# KiCad board Polished Amethyst.kicad_pcb (continued)
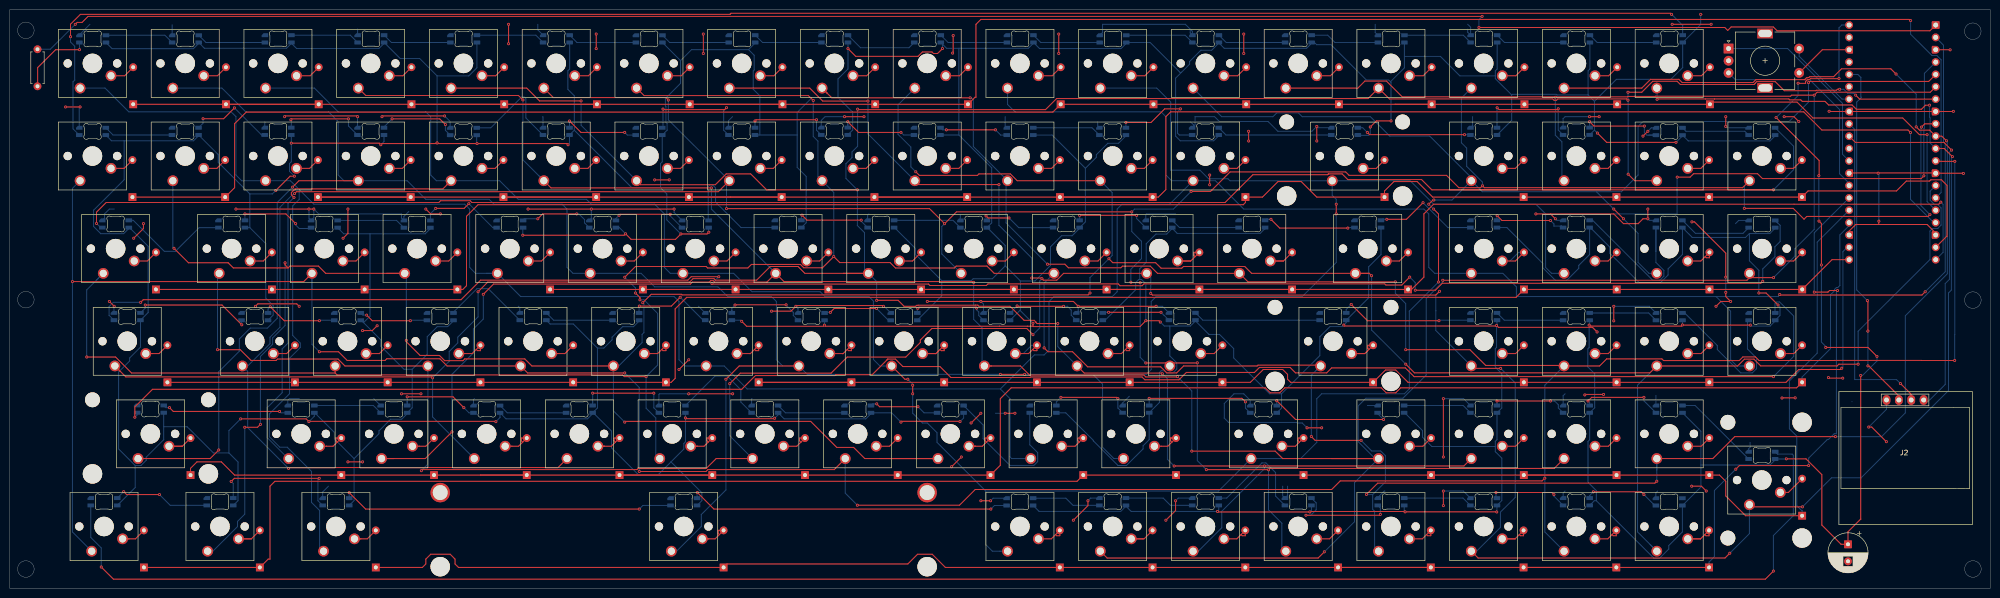
[diagram p0: board, top side]
## Routing (per net, layer and track width the routed paths; a pad name or vN(x,y) marks a point on that pad's centre or on a via; arc(x,y) is an arc through that point) (continued)
Row Two: length 18.1
  Top w0.2: v1(46.15,98.81) 43.93,96.58 v1(39.7,96.58)
  Bottom w0.2: v1(39.7,96.58) 39.7,95.65 LED20.2 ; LED21.3 51.72,93.24 v1(46.15,98.81)
Net-(D1-A): length 5.3
  Top w0.2: D1.2 23.61,105.42 SW1.2
Net-(D2-A): length 5.3
  Top w0.2: SW2.2 42.66,105.42 D2.2
Net-(D3-A): length 5.3
  Top w0.2: D3.2 61.71,105.42 SW3.2
Net-(D4-A): length 5.3
  Top w0.2: SW4.2 80.76,105.42 D4.2
Net-(D5-A): length 5.7
  Top w0.2: SW5.2 97,105.42 ; 97,105.42 97.43,105.42 ; 97,105.42 97.43,105.42 ; D5.2 99.81,105.42 97.43,105.42
Net-(D6-A): length 5.3
  Top w0.2: SW6.2 118.86,105.42 D6.2
Net-(D7-A): length 5.3
  Top w0.2: SW7.2 137.91,105.42 D7.2
Net-(D8-A): length 5.3
  Top w0.2: SW8.2 156.96,105.42 D8.2
Net-(D9-A): length 5.7
  Top w0.2: SW9.2 173.2,105.42 ; 173.2,105.42 173.63,105.42 ; 173.2,105.42 173.63,105.42 ; D9.2 176.01,105.42 173.63,105.42
Net-(D10-A): length 5.3
  Top w0.2: SW10.2 195.06,105.42 D10.2
Net-(D11-A): length 5.7
  Top w0.2: SW11.2 211.3,105.42 ; 211.3,105.42 211.73,105.42 ; 211.3,105.42 211.73,105.42 ; 211.73,105.42 214.11,105.42 D11.2
Net-(D12-A): length 5.3
  Top w0.2: D12.2 233.16,105.42 SW12.2
Net-(D13-A): length 5.7
  Top w0.2: SW13.2 249.4,105.42 ; 249.4,105.42 249.83,105.42 ; 249.4,105.42 249.83,105.42 ; 249.83,105.42 252.21,105.42 D13.2
Net-(D14-A): length 5.7
  Top w0.2: 268.88,105.42 271.26,105.42 D14.2 ; 268.88,105.42 SW14.2 268.88,105.42
Net-(D15-A): length 5.3
  Top w0.2: SW15.2 290.31,105.42 D15.2
Net-(D16-A): length 5.3
  Top w0.2: SW16.2 309.36,105.42 D16.2
Net-(D17-A): length 5.7
  Top w0.2: D17.2 328.41,105.42 326.03,105.42 ; SW17.2 326.03,105.42 ; 326.03,105.42 325.6,105.42
Net-(D18-A): length 5.3
  Top w0.2: D18.2 347.46,105.42 SW18.2
Net-(D19-A): length 5.1
  Top w0.2: D19.2 23.49,86.37 SW19.2
Net-(D20-A): length 5.1
  Top w0.2: D20.2 42.54,86.37 SW20.2
Net-(D21-A): length 5.1
  Top w0.2: D21.2 61.59,86.37 SW21.2
Net-(D22-A): length 5.5
  Top w0.2: 78.38,86.37 SW22.2 78.38,86.37 ; 78.38,86.37 80.64,86.37 D22.2
Net-(D23-A): length 5.1
  Top w0.2: D23.2 99.69,86.37 SW23.2
Net-(D24-A): length 5.1
  Top w0.2: D24.2 118.74,86.37 SW24.2
Net-(D25-A): length 5.5
  Top w0.2: 135.53,86.37 137.79,86.37 D25.2 ; 135.53,86.37 135.1,86.37 ; 135.53,86.37 135.1,86.37 ; SW25.2 135.1,86.37
Net-(D26-A): length 5.5
  Top w0.2: 154.58,86.37 SW26.2 156.84,86.37 D26.2
Net-(D27-A): length 5.1
  Top w0.2: D27.2 175.89,86.37 SW27.2
Net-(D28-A): length 5.1
  Top w0.2: SW28.2 194.94,86.37 D28.2
Net-(D29-A): length 5.1
  Top w0.2: D29.2 213.99,86.37 SW29.2
Net-(D30-A): length 5.1
  Top w0.2: D30.2 233.04,86.37 SW30.2
Net-(D31-A): length 5.5
  Top w0.2: SW31.2 249.4,86.37 ; 249.4,86.37 249.83,86.37 ; 249.4,86.37 249.83,86.37 ; 249.83,86.37 252.09,86.37 D31.2
Net-(D32-A): length 5.1
  Top w0.2: D32.2 280.65,86.36 SW32.2
Net-(D33-A): length 5.5
  Top w0.2: 306.98,86.37 309.24,86.37 D33.2 ; 306.98,86.37 SW33.2 306.98,86.37
Net-(D34-A): length 5.1
  Top w0.2: SW34.2 328.29,86.37 D34.2
Net-(D35-A): length 5.5
  Top w0.2: 345.08,86.37 SW35.2 345.08,86.37 ; 345.08,86.37 347.34,86.37 D35.2
Net-(D36-A): length 5.1
  Top w0.2: D36.2 366.39,86.37 SW36.2
Net-(D37-A): length 5.2
  Top w0.2: SW37.2 28.26,67.32 D37.2
Net-(D38-A): length 5.2
  Top w0.2: D38.2 52.07,67.32 SW38.2
Net-(D39-A): length 5.2
  Top w0.2: SW39.2 71.12,67.32 D39.2
Net-(D40-A): length 5.2
  Top w0.2: SW40.2 90.17,67.32 D40.2
Net-(D41-A): length 5.2
  Top w0.2: D41.2 109.22,67.32 SW41.2
Net-(D42-A): length 5.6
  Top w0.2: 126,67.32 SW42.2 126,67.32 ; 126,67.32 128.27,67.32 D42.2
Net-(D43-A): length 5.2
  Top w0.2: SW43.2 147.32,67.32 D43.2
Net-(D44-A): length 5.6
  Top w0.2: 164.1,67.32 SW44.2 164.1,67.32 ; 164.1,67.32 166.37,67.32 D44.2
Net-(D45-A): length 5.2
  Top w0.2: D45.2 185.42,67.32 SW45.2
Net-(D46-A): length 5.6
  Top w0.2: 202.2,67.32 SW46.2 202.2,67.32 ; 202.2,67.32 204.47,67.32 D46.2
Net-(D47-A): length 5.2
  Top w0.2: D47.2 223.52,67.32 SW47.2
Net-(D48-A): length 9.5
  Top w0.2: SW48.2 242.54,67.32 ; 242.54,67.32 242.57,67.32 243.46,68.2 ; 242.54,67.32 240.3,67.32 ; 243.46,68.2 243.24,68.42 243.24,69.09 D48.2 243.46,68.2
Net-(D49-A): length 7.9
  Top w0.2: 261.59,67.32 SW49.2 261.62,67.32 D49.2
Net-(D50-A): length 5.2
  Top w0.2: SW50.2 285.43,67.32 D50.2
Net-(D51-A): length 10.4
  Top w0.2: SW51.2 309.25,67.32 D51.2
  Bottom w0.2: SW51.2 308.14,67.32 309.92,69.09 D51.2
Net-(D52-A): length 5.6
  Top w0.2: 325.6,67.32 326.03,67.32 ; 325.6,67.32 326.03,67.32 ; 325.6,67.32 SW52.2 ; 326.03,67.32 328.3,67.32 D52.2
Net-(D53-A): length 7.9
  Top w0.2: 348.67,68.65 D53.2 ; 348.67,68.65 348.23,68.2 ; 348.67,68.65 D53.2 ; D53.2 349.12,67.99 348.45,67.99 348.23,68.2 ; 348.23,68.2 347.35,67.32 SW53.2
Net-(D54-A): length 5.2
  Top w0.2: D54.2 366.4,67.32 SW54.2
Net-(D55-A): length 6.5
  Top w0.2: 29.31,48.27 SW55.2 29.31,48.27 ; 29.31,48.27 30.67,48.27 D55.2
Net-(D56-A): length 6.5
  Top w0.2: D56.2 56.87,48.27 55.5,48.27 ; 55.5,48.27 SW56.2 55.5,48.27
Net-(D57-A): length 5.8
  Top w0.2: 74.42,48.27 75.92,48.27 D57.2 ; 74.42,48.27 73.8,48.27 ; 74.42,48.27 73.8,48.27 ; 73.8,48.27 SW57.2
Net-(D58-A): length 7.8
  Top w0.2: 95.82,49.12 94.97,48.27 93.47,48.27 ; 95.82,49.12 96.07,48.88 96.68,48.88 D58.2 95.82,49.12 ; 92.85,48.27 93.47,48.27 ; 92.85,48.27 SW58.2 ; 92.85,48.27 93.47,48.27
Net-(D59-A): length 5.8
  Top w0.2: 112.52,48.27 114.02,48.27 D59.2 ; 112.52,48.27 111.9,48.27 ; 112.52,48.27 111.9,48.27 ; 111.9,48.27 SW59.2
Net-(D60-A): length 7.9
  Top w0.2: 131.02,48.27 SW60.2 ; 131.02,48.27 131.7,48.27 ; 131.02,48.27 131.7,48.27 ; 133.92,49.12 134.17,48.88 134.78,48.88 D60.2 133.92,49.12 ; 133.92,49.12 133.07,48.27 131.7,48.27
Net-(D61-A): length 7.2
  Top w0.2: SW61.2 152.06,48.27 152.12,48.27 152.97,49.12 ; 152.97,49.12 153.22,48.88 153.83,48.88 D61.2 152.97,49.12
Net-(D62-A): length 7.2
  Top w0.2: 172.02,49.12 172.27,48.88 172.88,48.88 D62.2 172.02,49.12 ; 172.02,49.12 171.17,48.27 171.04,48.27 SW62.2
Net-(D63-A): length 9.5
  Top w0.2: SW63.2 190.22,48.27 ; 190.22,48.27 191.07,49.12 ; 190.22,48.27 187.91,48.27 ; 191.07,49.12 191.32,48.88 191.93,48.88 D63.2 191.07,49.12
Net-(D64-A): length 13
  Top w0.2: 210.12,49.12 D64.2 210.98,48.88 210.37,48.88 210.12,49.12 ; 210.12,49.12 209.27,48.27 207.77,48.27 ; 207.77,48.27 207.15,48.27 ; 207.77,48.27 207.15,48.27 ; 207.15,48.27 SW64.2
  Bottom w0.2: SW64.2 208.17,48.27 209.88,49.98 D64.2
Net-(D65-A): length 7.2
  Top w0.2: SW65.2 228.32,48.27 229.17,49.12 ; 229.17,49.12 229.42,48.88 230.03,48.88 D65.2 229.17,49.12
Net-(D66-A): length 5.2
  Top w0.2: SW66.2 245.87,48.27 245.87,48.27 247.37,48.27 D66.2
Net-(D67-A): length 8.5
  Top w0.2: 278.26,48.27 278.32,48.27 279.18,49.12 ; 278.26,48.27 276.93,48.27 ; 278.26,48.27 276.93,48.27 ; 276.93,48.27 SW67.2 ; 279.18,49.12 D67.2 278.93,49.98 278.93,49.37 279.18,49.12
Net-(D68-A): length 5.2
  Top w0.2: D68.2 309.28,48.27 SW68.2
Net-(D69-A): length 5.2
  Top w0.2: SW69.2 325.6,48.27 328.33,48.27 D69.2
Net-(D70-A): length 5.2
  Top w0.2: D70.2 347.38,48.27 SW70.2
Net-(D71-A): length 5.2
  Top w0.2: SW71.2 363.7,48.27 366.43,48.27 D71.2
Net-(D72-A): length 7.8
  Top w0.2: SW72.2 35.38,29.22 35.38,29.22 ; 35.38,29.22 35.46,29.22 D72.2 ; 35.38,29.22 32.71,29.22
Net-(D73-A): length 7.2
  Top w0.2: 67.25,30.06 66.41,29.22 65.04,29.22 65.04,29.22 SW73.2 ; 67.25,30.06 D73.2 66.99,30.9 66.99,30.32 67.25,30.06
Net-(D74-A): length 5.1
  Top w0.2: SW74.2 84.09,29.22 84.09,29.22 85.46,29.22 D74.2
Net-(D75-A): length 7.2
  Top w0.2: 105.35,30.06 105.09,30.32 105.09,30.9 D75.2 105.35,30.06 ; 105.35,30.06 104.51,29.22 103.14,29.22 103.14,29.22 SW75.2
Net-(D76-A): length 8.6
  Top w0.2: 120.81,29.22 SW76.2 ; 120.81,29.22 122.19,29.22 ; 120.81,29.22 122.19,29.22 ; 122.19,29.22 123.56,29.22 124.4,30.06 ; 124.4,30.06 D76.2 124.14,30.9 124.14,30.32 124.4,30.06
Net-(D77-A): length 8.6
  Top w0.2: 139.86,29.22 140.55,29.22 ; 139.86,29.22 SW77.2 ; 139.86,29.22 140.55,29.22 ; 140.55,29.22 141.24,29.22 ; 140.55,29.22 141.24,29.22 ; 141.24,29.22 142.61,29.22 143.45,30.06 ; 143.45,30.06 D77.2 143.19,30.9 143.19,30.32 143.45,30.06
Net-(D78-A): length 7.2
  Top w0.2: 162.5,30.06 162.24,30.32 162.24,30.9 D78.2 162.5,30.06 ; 162.5,30.06 161.66,29.22 158.91,29.22 SW78.2
Net-(D79-A): length 5.1
  Top w0.2: 177.96,29.22 SW79.2 180.71,29.22 D79.2
Net-(D80-A): length 8.6
  Top w0.2: 200.6,30.06 D80.2 200.34,30.9 200.34,30.32 200.6,30.06 ; 200.6,30.06 199.76,29.22 198.39,29.22 ; 198.39,29.22 197.01,29.22 ; 198.39,29.22 197.01,29.22 ; 197.01,29.22 SW80.2
Net-(D81-A): length 7.2
  Top w0.2: 219.65,30.06 218.81,29.22 216.06,29.22 ; 219.65,30.06 D81.2 219.39,30.9 219.39,30.32 219.65,30.06 ; SW81.2 216.06,29.22 ; 216.06,29.22 216.06,29.22
Net-(D82-A): length 8.3
  Top w0.2: 238.7,30.06 237.86,29.22 236.49,29.22 236.49,29.22 SW82.2 ; 238.7,30.06 238.44,30.32 238.44,30.9 ; 238.7,30.06 D82.2 ; D82.2 238.44,30.9 ; D82.2 238.44,30.9
Net-(D83-A): length 7.2
  Top w0.2: SW83.2 261.31,29.22 264.06,29.22 264.9,30.06 ; 264.9,30.06 D83.2 264.63,30.9 264.63,30.32 264.9,30.06
Net-(D84-A): length 5.1
  Top w0.2: SW84.2 287.5,29.22 290.25,29.22 D84.2
Net-(D85-A): length 5.1
  Top w0.2: D85.2 309.3,29.22 306.55,29.22 SW85.2
Net-(D86-A): length 5.1
  Top w0.2: SW86.2 325.6,29.22 328.35,29.22 D86.2
Net-(D87-A): length 5.1
  Top w0.2: SW87.2 344.65,29.22 347.4,29.22 D87.2
Net-(D88-A): length 5.6
  Top w0.2: D88.2 365.33,19.72 SW88.2
Net-(D89-A): length 6.4
  Top w0.2: 24.5,10.17 SW89.2 24.5,10.17 ; 24.5,10.17 25.82,10.17 D89.2
Net-(D90-A): length 7.7
  Top w0.2: 49.63,10.17 D90.2 ; 49.63,10.17 SW90.2 49.63,10.17
Net-(D91-A): length 6.4
  Top w0.2: 72.12,10.17 SW91.2 72.12,10.17 ; 72.12,10.17 73.44,10.17 D91.2
Net-(D92-A): length 8.5
  Top w0.2: 145.75,11.04 144.88,10.17 143.56,10.17 ; 145.75,11.04 145.52,11.27 145.52,11.91 D92.2 145.75,11.04 ; 143.56,10.17 SW92.2 143.56,10.17
Net-(D93-A): length 7.2
  Top w0.2: D93.2 215.68,10.81 215.04,10.81 214.81,11.04 ; 214.81,11.04 215.68,11.91 ; 214.81,11.04 213.94,10.17 211.3,10.17 SW93.2
Net-(D94-A): length 7.5
  Top w0.2: 232.77,10.17 SW94.2 232.77,10.17 ; 232.77,10.17 232.99,10.17 233.86,11.04 D94.2
Net-(D95-A): length 7.7
  Top w0.2: 253.78,11.36 253.78,11.36 D95.2 ; 253.78,11.36 253.78,11.91 252.91,11.04 ; 253.78,11.36 253.78,10.81 253.14,10.81 252.91,11.04 ; 252.91,11.04 252.04,10.17 249.4,10.17 SW95.2
Net-(D96-A): length 5.1
  Top w0.2: D96.2 271.09,10.17 SW96.2
Net-(D97-A): length 7.7
  Top w0.2: 291.88,11.36 291.88,10.81 291.24,10.81 291.01,11.04 ; 291.88,11.36 291.88,11.91 291.01,11.04 ; 291.88,11.36 291.88,11.36 D97.2 ; 291.01,11.04 290.14,10.17 287.5,10.17 SW97.2
Net-(D98-A): length 9.8
  Top w0.2: 309.19,10.17 SW98.2 309.19,10.17 ; 309.19,10.17 310.06,11.04 ; 310.06,11.04 D98.2 310.93,10.81 310.29,10.81 310.06,11.04
Net-(D99-A): length 7.2
  Top w0.2: SW99.2 325.6,10.17 328.24,10.17 329.11,11.04 ; 329.11,11.04 D99.2 329.98,11.91 329.98,10.81 329.34,10.81 329.11,11.04
Net-(D100-A): length 9.8
  Top w0.2: 347.29,10.17 348.16,11.04 ; 347.29,10.17 SW100.2 347.29,10.17 ; 348.16,11.04 348.39,10.81 349.03,10.81 D100.2 348.16,11.04
Net-(LED1-DIN): length 15.5
  Top w0.2: v1(14.33,110.78) 9.42,110.78 5.73,107.09 5.73,103.28 R1.2
  Bottom w0.2: LED1.3 14.33,112.23 v1(14.33,110.78)
Net-(LED1-DOUT): length 14.2
  Bottom w0.2: LED1.2 31.86,113.75 LED2.3
Net-(LED2-DOUT): length 14.2
  Bottom w0.2: LED3.3 40.3,112.26 LED2.2
Net-(LED3-DOUT): length 14.2
  Bottom w0.2: LED4.3 69.95,113.76 LED3.2
Net-(LED4-DOUT): length 14.2
  Bottom w0.2: LED4.2 78.4,112.26 LED5.3
Net-(LED5-DOUT): length 14.2
  Bottom w0.2: LED5.2 108.06,113.76 LED6.3
Net-(LED6-DOUT): length 14.2
  Bottom w0.2: LED6.2 116.52,112.25 LED7.3
Net-(LED7-DOUT): length 14.2
  Bottom w0.2: LED7.2 135.55,112.26 LED8.3
Net-(LED8-DOUT): length 14.2
  Bottom w0.2: LED8.2 154.62,112.26 LED9.3
Net-(LED10-DIN): length 15.1
  Bottom w0.2: LED9.2 174.75,111.18 184.7,111.18 LED10.3
Net-(LED11-DOUT): length 14.2
  Bottom w0.2: LED11.2 211.78,112.25 LED12.3
Net-(LED12-DOUT): length 14.2
  Bottom w0.2: LED13.3 241.42,113.75 LED12.2
Net-(LED13-DOUT): length 14.2
  Bottom w0.2: LED14.3 249.86,112.26 LED13.2
Net-(LED14-DOUT): length 14.2
  Bottom w0.2: LED14.2 270.7,113.76 272.21,112.25 LED15.3
Net-(LED15-DOUT): length 14.2
  Bottom w0.2: LED15.2 298.57,113.75 LED16.3
Net-(LED16-DOUT): length 14.2
  Bottom w0.2: LED16.2 307.01,112.26 LED17.3
Net-(LED17-DOUT): length 14.2
  Bottom w0.2: LED17.2 326.06,112.26 LED18.3
Net-(LED18-DOUT): length 359.2
  Top w0.2: 148.09,118.21 147.93,118.05 ; 148.09,118.21 148.15,118.27 341.12,118.27 v1(341.34,118.05) ; 148.09,118.21 147.93,118.05 ; 147.93,118.05 14.51,118.05 12.48,116.02 v1(12.48,113.44)
  Bottom w0.2: LED19.3 13,94.5 13,104.17 13.35,104.52 13.35,111.5 12.48,112.36 v1(12.48,113.44) ; LED18.2 343.62,115.77 v1(341.34,118.05)
Net-(LED19-DOUT): length 14.2
  Bottom w0.2: LED19.2 21.22,93.23 LED20.3
Net-(LED21-DOUT): length 17.7
  Top w0.2: v1(57.75,96.37) 57.93,96.55 v1(69.57,96.55)
  Bottom w0.2: v1(57.75,96.37) 57.83,96.29 LED21.2 ; LED22.3 69.57,95.08 v1(69.57,96.55)
Net-(LED22-DOUT): length 16.5
  Top w0.2: v1(78.53,96.55) 88.31,96.55 v1(89.49,95.38)
  Bottom w0.2: v1(89.49,95.38) 89.49,94.19 LED23.3 ; LED22.2 76.87,94.9 v1(78.53,96.55)
Net-(LED23-DOUT): length 21.8
  Bottom w0.2: LED24.3 106.01,96.74 106.01,100.69 105.65,101.04 105.13,101.04 98.8,94.71 LED23.2
Net-(LED24-DOUT): length 16.2
  Top w0.2: v1(126.31,93.77) 117.32,93.77 v1(114.97,96.12)
  Bottom w0.2: v1(126.31,93.77) 126.86,93.22 LED25.3 ; LED24.2 v1(114.97,96.12)
Net-(LED25-DOUT): length 23.5
  Top w0.2: v1(134.18,98.56) 134.29,98.45 146.82,98.45 v1(147.22,98.84)
  Bottom w0.2: LED26.3 146.64,94.21 146.64,98.27 v1(147.22,98.84) ; 134.1,94.8 LED25.2 134.1,94.8 ; 134.1,94.8 134.18,94.87 v1(134.18,98.56)
Net-(LED26-DOUT): length 17.7
  Top w0.2: v1(153.07,96.12) 153.32,96.37 v1(165.71,96.37)
  Bottom w0.2: v1(165.71,96.37) 165.71,94.23 LED27.3 ; v1(153.07,96.12) LED26.2
Net-(LED27-DOUT): length 16.5
  Top w0.2: v1(172.13,95.97) 174.33,93.77 v1(183.06,93.77)
  Bottom w0.2: LED28.3 183.6,93.23 v1(183.06,93.77) ; 172.13,95.36 LED27.2 172.13,95.36 ; 172.13,95.36 v1(172.13,95.97)
Net-(LED28-DOUT): length 14.2
  Top w0.2: v1(202.46,94.3) v1(192.38,94.3)
  Bottom w0.2: LED28.2 191.61,94.3 v1(192.38,94.3) ; LED29.3 203.53,93.22 v1(202.46,94.3)
Net-(LED29-DOUT): length 14.2
  Bottom w0.2: LED30.3 222.3,94.72 LED29.2
Net-(LED31-DOUT): length 23.8
  Bottom w0.2: LED31.2 249.81,93.23 LED32.3
Net-(LED32-DOUT): length 23.8
  Top w0.2: v1(298.81,93.3) 279.31,93.3 v1(278.84,93.77)
  Bottom w0.2: LED33.3 299.95,93.3 v1(298.81,93.3) ; v1(278.84,93.77) 277.88,94.73 LED32.2
Net-(LED33-DOUT): length 22.7
  Top w0.2: v1(318.06,98.63) 317.88,98.45 305.9,98.45 v1(305.5,98.84)
  Bottom w0.2: LED34.3 318.06,94.24 v1(318.06,98.63) ; LED33.2 305.47,98.81 v1(305.5,98.84)
Net-(LED34-DOUT): length 18.2
  Top w0.2: v1(335.75,95.07) 325.4,95.07 v1(324.5,95.97)
  Bottom w0.2: 336.68,93.21 336.25,93.21 335.75,93.71 v1(335.75,95.07) ; 336.68,93.21 LED35.3 336.68,93.21 ; LED34.2 v1(324.5,95.97)
Net-(LED35-DOUT): length 14.2
  Bottom w0.2: LED36.3 356.37,94 344.28,94 LED35.2
Net-(LED36-DOUT): length 369.5
  Top w0.2: 270.69,85.07 255.34,85.07 249.63,79.36 94.9,79.36 94.55,79.71 88.49,79.71 88.14,79.36 19.82,79.36 17.82,77.36 v1(17.82,75.04) ; 270.69,85.07 270.86,85.23 ; 270.69,85.07 270.86,85.23 ; 270.86,85.23 273.66,85.23 274.83,84.06 289.99,84.06 292.1,81.95 v1(362.25,81.95)
  Bottom w0.2: v1(17.82,75.04) 18.68,74.18 LED37.3 ; v1(362.25,81.95) 366.39,86.1 366.39,90.93 LED36.2
Net-(LED37-DOUT): length 23.1
  Bottom w0.2: LED38.3 38.9,74.18 34.02,69.3 31.76,69.3 25.38,75.68 LED37.2
Net-(LED38-DOUT): length 16.4
  Top w0.2: v1(48.31,77) 56.72,77 v1(58.72,75)
  Bottom w0.2: v1(48.31,77) LED38.2 ; LED39.3 61.72,74 59.46,74 58.72,74.74 v1(58.72,75)
Net-(LED39-DOUT): length 14.2
  Bottom w0.2: LED39.2 79.44,75.67 LED40.3
Net-(LED41-DOUT): length 16
  Top w0.2: v1(116.46,77) 109.46,77 v1(108.46,76)
  Bottom w0.2: v1(108.46,76) 105.77,76 105.61,75.83 ; LED42.3 118.07,75.15 118.07,75.83 116.9,77 v1(116.46,77) ; 105.61,75.83 LED41.2 105.61,75.83
Net-(LED42-DOUT): length 15.7
  Top w0.2: v1(135.66,76.93) 125.37,76.93 v1(125.15,76.71)
  Bottom w0.2: v1(125.15,76.71) 124.49,76.05 LED42.2 ; LED43.3 135.66,76.6 v1(135.66,76.93)
Net-(LED43-DOUT): length 26.2
  Bottom w0.2: LED43.2 143.47,75.75 143.47,82.64 143.79,82.97 144.35,82.97 144.97,82.35 144.97,79.43 150.21,74.19 LED44.3
Net-(LED44-DOUT): length 15.8
  Top w0.2: v1(162.73,76.74) 163.75,75.72 v1(174.89,75.72)
  Bottom w0.2: LED44.2 162.59,76.61 v1(162.73,76.74) ; LED45.3 174.89,75.5 v1(174.89,75.72)
Net-(LED45-DOUT): length 14.2
  Bottom w0.2: LED46.3 193.74,75.68 LED45.2
Net-(LED46-DOUT): length 15.8
  Top w0.2: v1(205.25,76.17) 200.95,76.17 v1(200.52,76.6)
  Bottom w0.2: LED47.3 207.24,74.18 v1(205.25,76.17) ; LED46.2 200.7,76.42 v1(200.52,76.6)
Net-(LED47-DOUT): length 16.7
  Top w0.2: v1(231.46,76.72) v1(219.75,76.72)
  Bottom w0.2: 219.75,76.2 LED47.2 219.75,76.2 ; 219.75,76.2 v1(219.75,76.72) ; LED48.3 231.46,76.05 231.46,76.59 231.58,76.72 v1(231.46,76.72)
Net-(LED48-DOUT): length 14.9
  Bottom w0.2: LED49.3 240.27,74.19 239.27,75.19 ; 239.27,75.19 LED48.2 239.27,75.19
Net-(LED49-DOUT): length 19.4
  Top w0.2: v1(274.84,74.09) 260.85,74.09 v1(259.05,75.89)
  Bottom w0.2: 257.95,75.79 LED49.2 257.95,75.79 ; 257.95,75.79 258.05,75.89 v1(259.05,75.89) ; LED50.3 274.94,74.19 v1(274.84,74.09)
Net-(LED51-DOUT): length 15.8
  Top w0.2: v1(316.46,75.65) 306.5,75.65 v1(305.51,76.63)
  Bottom w0.2: LED51.2 305.46,76.58 v1(305.51,76.63) ; v1(316.46,75.65) 317.17,74.94 317.17,74.49 318.75,74.49 LED52.3
Net-(LED52-DOUT): length 36.3
  Bottom w0.2: 338.11,69.26 LED53.3 338.11,69.26 ; 338.11,69.26 338.11,67.01 339.75,65.38 339.75,64.2 338.88,63.33 337.47,63.33 325.12,75.69 LED52.2
Net-(LED53-DOUT): length 15.2
  Bottom w0.2: LED53.2 346.24,73 355.99,73 LED54.3
Net-(LED54-DOUT): length 368.1
  Top w0.2: v1(360.06,63.14) 359.65,62.73 294.23,62.73 292.81,61.31 v1(288.69,61.31) ; v1(26.9,58.82) 27.43,59.35 92.69,59.35 96.71,63.38 139.27,63.38 139.98,64.08 145.63,64.08 v1(145.63,64.08) ; v1(287.55,64) 285.91,62.37 282.66,62.37 282.41,62.61 232.97,62.61 232.58,62.23 228.05,62.23 227.68,62.6 200.92,62.6 200.59,62.27 189,62.27 188.7,62.57 144.34,62.57 v1(144.23,62.68)
  Bottom w0.2: v1(360.06,63.14) 360.06,65.68 362.56,68.18 362.56,70.25 363.63,71.33 363.63,74.65 363.11,75.18 ; LED55.3 20.41,56.14 20.41,57.95 21.28,58.82 v1(26.9,58.82) ; 363.11,75.18 LED54.2 363.11,75.18 ; v1(144.23,62.68) v1(145.63,64.08) ; v1(287.55,64) 288.69,62.87 v1(288.69,61.31)
Net-(LED55-DOUT): length 24.5
  Top w0.2: v1(47.66,54.19) 43.6,58.26 v1(27.83,58.26)
  Bottom w0.2: LED56.3 47.6,54.25 v1(47.66,54.19) ; v1(27.83,58.26) 27.83,57.61 LED55.2
Net-(LED56-DOUT): length 15.8
  Top w0.2: v1(53.51,57.91) 56.39,55.03 v1(63.6,55.03)
  Bottom w0.2: v1(63.6,55.03) 63.7,55.13 LED57.3 ; v1(53.51,57.91) 53.05,57.45 LED56.2
Net-(LED57-DOUT): length 14.6
  Top w0.2: v1(82.28,55.03) 74.46,55.03 v1(73.31,56.18)
  Bottom w0.2: v1(82.28,55.03) 82.38,55.13 LED58.3 ; 72.33,56.41 LED57.2 72.33,56.41 ; 72.33,56.41 72.55,56.18 v1(73.31,56.18)
Net-(LED58-DOUT): length 18.6
  Bottom w0.2: 91.14,56.71 91.14,56.81 95.96,61.62 98.28,61.62 LED59.3 ; 91.14,56.71 LED58.2 91.14,56.71
Net-(LED59-DOUT): length 14.2
  Bottom w0.2: LED60.3 111.72,55.13 LED59.2
Net-(LED61-DOUT): length 17.1
  Top w0.2: v1(159.46,58.31) 149.02,58.31 v1(148.97,58.26)
  Bottom w0.2: v1(159.46,58.31) 159.46,58.23 160.94,56.76 160.94,56.11 LED62.3 ; 148.31,57.12 148.31,57.6 v1(148.97,58.26) ; 148.31,57.12 LED61.2 148.31,57.12
Net-(LED62-DOUT): length 15
  Top w0.2: v1(178.04,57.55) 169.34,57.55 v1(168.54,56.76)
  Bottom w0.2: v1(178.04,57.55) 180.46,55.13 LED63.3 ; LED62.2 167.49,56.76 v1(168.54,56.76)
Net-(LED63-DOUT): length 16.3
  Top w0.2: v1(186.52,57.59) 186.75,57.83 198.4,57.83 v1(198.59,57.63)
  Bottom w0.2: LED64.3 199.03,56.11 199.03,56.83 198.59,57.28 v1(198.59,57.63) ; LED63.2 186.4,57.47 v1(186.52,57.59)
Net-(LED64-DOUT): length 16
  Top w0.2: v1(216.46,58) 206.98,58 v1(206.9,58.07)
  Bottom w0.2: v1(216.46,58) 217.25,58 218.03,57.22 218.03,56.17 LED65.3 ; v1(206.9,58.07) LED64.2
Net-(LED65-DOUT): length 14.3
  Top w0.2: v1(236.46,56.76) v1(225.7,56.76)
  Bottom w0.2: v1(225.7,56.76) 224.62,56.76 LED65.2 ; LED66.3 237.12,56.13 237.09,56.13 v1(236.46,56.76)
Net-(LED66-DOUT): length 26.1
  Bottom w0.2: LED66.2 245.05,55.14 LED67.3
Net-(LED67-DOUT): length 28.1
  Top w0.2: v1(275.53,58.38) 278.88,55.03 v1(293.56,55.03)
  Bottom w0.2: LED68.3 293.67,55.14 v1(293.56,55.03) ; v1(275.53,58.38) 274.5,57.35 LED67.2
Net-(LED68-DOUT): length 14.2
  Bottom w0.2: LED69.3 306.98,55.13 LED68.2
Net-(LED69-DOUT): length 14.2
  Bottom w0.2: LED69.2 336.62,56.63 LED70.3
Net-(LED71-DOUT): length 370.2
  Top w0.2: 180.2,46.99 177.13,43.92 169.71,43.92 ; 180.2,46.99 180.36,47.15 ; 180.2,46.99 180.36,47.15 ; 180.36,47.15 181.9,47.15 183.44,45.6 191.06,45.6 193.31,43.35 209.57,43.35 209.68,43.46 232.57,43.46 233.15,42.89 240.16,42.89 241.67,44.39 255.66,44.39 256.69,45.43 262.97,45.43 264.1,44.31 270.49,44.31 271.52,45.33 286.65,45.33 288.45,43.53 v1(362.25,43.53) ; 169.54,43.75 169.71,43.92 ; 169.54,43.75 167.6,43.75 167.6,43.75 162.22,43.75 162.22,43.75 153.17,43.75 150.34,40.93 29.32,40.93 25.69,37.29 v1(25.69,35.18) ; 169.54,43.75 169.71,43.92
  Bottom w0.2: v1(25.69,35.18) 26.17,35.66 LED72.3 ; LED71.2 362.57,56.68 362.57,58.51 362.95,58.89 363.51,58.89 366.41,55.99 366.41,47.7 v1(362.25,43.53)
Net-(LED72-DOUT): length 26.1
  Top w0.2: v1(32.82,37.15) 33.59,36.38 v1(55.41,36.38)
  Bottom w0.2: LED73.3 55.7,36.09 v1(55.41,36.38) ; LED72.2 32.08,37.15 v1(32.82,37.15)
Net-(LED73-DOUT): length 14.2
  Bottom w0.2: LED73.2 74.68,37.59 LED74.3
Net-(LED74-DOUT): length 17.7
  Top w0.2: v1(93.27,37.15) 91.05,39.37 v1(81.63,39.37)
  Bottom w0.2: 81.63,38.48 LED74.2 81.63,38.48 ; 81.63,38.48 v1(81.63,39.37) ; LED75.3 94.34,36.08 v1(93.27,37.15)
Net-(LED75-DOUT): length 14.2
  Bottom w0.2: LED75.2 102.19,36.09 LED76.3
Net-(LED76-DOUT): length 20.8
  Top w0.2: v1(119.73,40.13) v1(132.29,40.13)
  Bottom w0.2: LED77.3 132.29,37.12 v1(132.29,40.13) ; 119.73,38.78 119.72,38.77 LED76.2 119.73,37.59 119.73,38.78 ; 119.73,38.78 v1(119.73,40.13)
Net-(LED77-DOUT): length 20.7
  Bottom w0.2: LED78.3 150.17,38.29 150.17,40.83 147.36,43.64 144.84,43.64 LED77.2
Net-(LED78-DOUT): length 14.2
  Bottom w0.2: LED79.3 159.32,36.09 LED78.2
Net-(LED79-DOUT): length 14.5
  Top w0.2: v1(186.55,37.34) 178.66,37.34 v1(178.07,37.93)
  Bottom w0.2: v1(178.07,37.93) 177.23,37.93 LED79.2 ; LED80.3 187.8,36.09 v1(186.55,37.34)
Net-(LED81-DOUT): length 17.2
  Top w0.2: v1(227.61,39.02) 227.36,39.27 v1(215.91,39.27)
  Bottom w0.2: v1(227.61,39.02) 227.61,37.08 LED82.3 ; v1(215.91,39.27) 214.96,38.32 LED81.2
Net-(LED82-DOUT): length 24.2
  Top w0.2: v1(253.81,38.34) 253.08,39.06 v1(234.03,39.06)
  Bottom w0.2: v1(234.03,39.06) 234.03,37.64 ; 234.03,37.64 LED82.2 234.03,37.64 ; v1(253.81,38.34) 253.81,37.06 LED83.3
Net-(LED83-DOUT): length 26.5
  Top w0.2: v1(282.18,34.71) 264.11,34.71 v1(260.23,38.59)
  Bottom w0.2: 280.95,36.02 LED84.3 280.95,36.02 ; 280.95,36.02 280.95,35.94 v1(282.18,34.71) ; LED83.2 v1(260.23,38.59)
Net-(LED84-DOUT): length 14.2
  Bottom w0.2: LED85.3 298.51,37.6 LED84.2
Net-(LED85-DOUT): length 16.4
  Top w0.2: v1(316.46,38.52) v1(305.47,38.52)
  Bottom w0.2: 305.47,38.06 LED85.2 305.47,38.06 ; 305.47,38.06 v1(305.47,38.52) ; v1(316.46,38.52) 317.3,38.52 318.07,37.75 318.07,37.08 LED86.3
Net-(LED86-DOUT): length 17.1
  Top w0.2: v1(324.17,38.52) 324.92,39.27 v1(335.65,39.27)
  Bottom w0.2: v1(324.17,38.52) 324.51,38.18 LED86.2 ; v1(335.65,39.27) 335.65,38.56 LED87.3
Net-(LED87-DOUT): length 18.1
  Bottom w0.2: LED88.3 346.16,37.59 LED87.2
Net-(LED88-DOUT): length 389
  Top w0.2: v1(362.25,3.53) 360.59,1.88 21.29,1.88 v1(18.8,4.37)
  Bottom w0.2: v1(362.25,3.53) 362.25,10.85 366.34,14.94 366.34,27.37 366.11,27.6 363.11,27.6 ; v1(18.8,4.37) 18.8,8.3 16.64,10.46 LED89.3 ; 363.11,27.6 LED88.2 363.11,27.6
Net-(LED89-DOUT): length 20.1
  Top w0.2: v1(23.41,19.87) 24,19.27 v1(30.75,19.27)
  Bottom w0.2: LED90.3 32.97,17.05 v1(30.75,19.27) ; LED89.2 v1(23.41,19.87)
Net-(LED91-DOUT): length 68.8
  Top w0.2: v1(129.3,16.29) 73.1,16.29 v1(69.72,19.67)
  Bottom w0.2: LED92.3 130.05,17.04 v1(129.3,16.29) ; LED91.2 v1(69.72,19.67)
Net-(LED92-DOUT): length 66.4
  Top w0.2: v1(141.24,19.69) 144.64,16.29 v1(201.51,16.29)
  Bottom w0.2: v1(141.24,19.69) 141.17,19.63 LED92.2 ; LED93.3 202.25,17.03 v1(201.51,16.29)
Net-(LED93-DOUT): length 14.2
  Bottom w0.2: LED94.3 218.41,17.05 216.93,18.53 LED93.2
Net-(LED94-DOUT): length 14.2
  Bottom w0.2: LED94.2 236.91,18.55 238.41,17.05 LED95.3
Net-(LED95-DOUT): length 23
  Bottom w0.2: LED96.3 260,18.97 260,23.8 258,25.79 257.2,25.79 249.96,18.55 LED95.2
Net-(LED96-DOUT): length 22.8
  Top w0.2: v1(281.52,15.2) 281.34,15.02 v1(266.23,15.02)
  Bottom w0.2: LED97.3 281.52,16.51 v1(281.52,15.2) ; v1(266.23,15.02) 267.21,15.02 268.34,16.14 268.34,17.57 LED96.2
Net-(LED97-DOUT): length 14.2
  Bottom w0.2: LED97.2 298.5,18.55 LED98.3
Net-(LED98-DOUT): length 16.3
  Top w0.2: v1(305.26,19.69) 316.75,19.69 v1(317.17,19.27)
  Bottom w0.2: v1(317.17,19.27) 317.17,18.94 LED99.3 ; LED98.2 305.26,18.74 v1(305.26,19.69)
Net-(LED100-DIN): length 15.9
  Top w0.2: v1(335.65,19.27) 335.08,19.84 v1(325.27,19.84)
  Bottom w0.2: v1(325.27,19.84) 324.51,19.08 324.51,18.82 ; 324.51,18.82 LED99.2 324.51,18.82 ; v1(335.65,19.27) 337.9,17.02 LED100.3

## Copper pours and planes (outline as drawn; the poured copper is in the pictures)
GND on Bottom: 405.99,118 0.81,118 0.81,1 405.99,1
